# Altium PCB 电解水杯拼版6in1.PcbDoc (part 3 of 9)
Units mm, origin at the board's own origin, x right, y up, seen from the top; angles counter-clockwise.
Board outline 210 x 138 mm, 2 copper layers (Top Layer, Bottom Layer); 750 components, 0 nets, 2092 pads, 2070 vias.
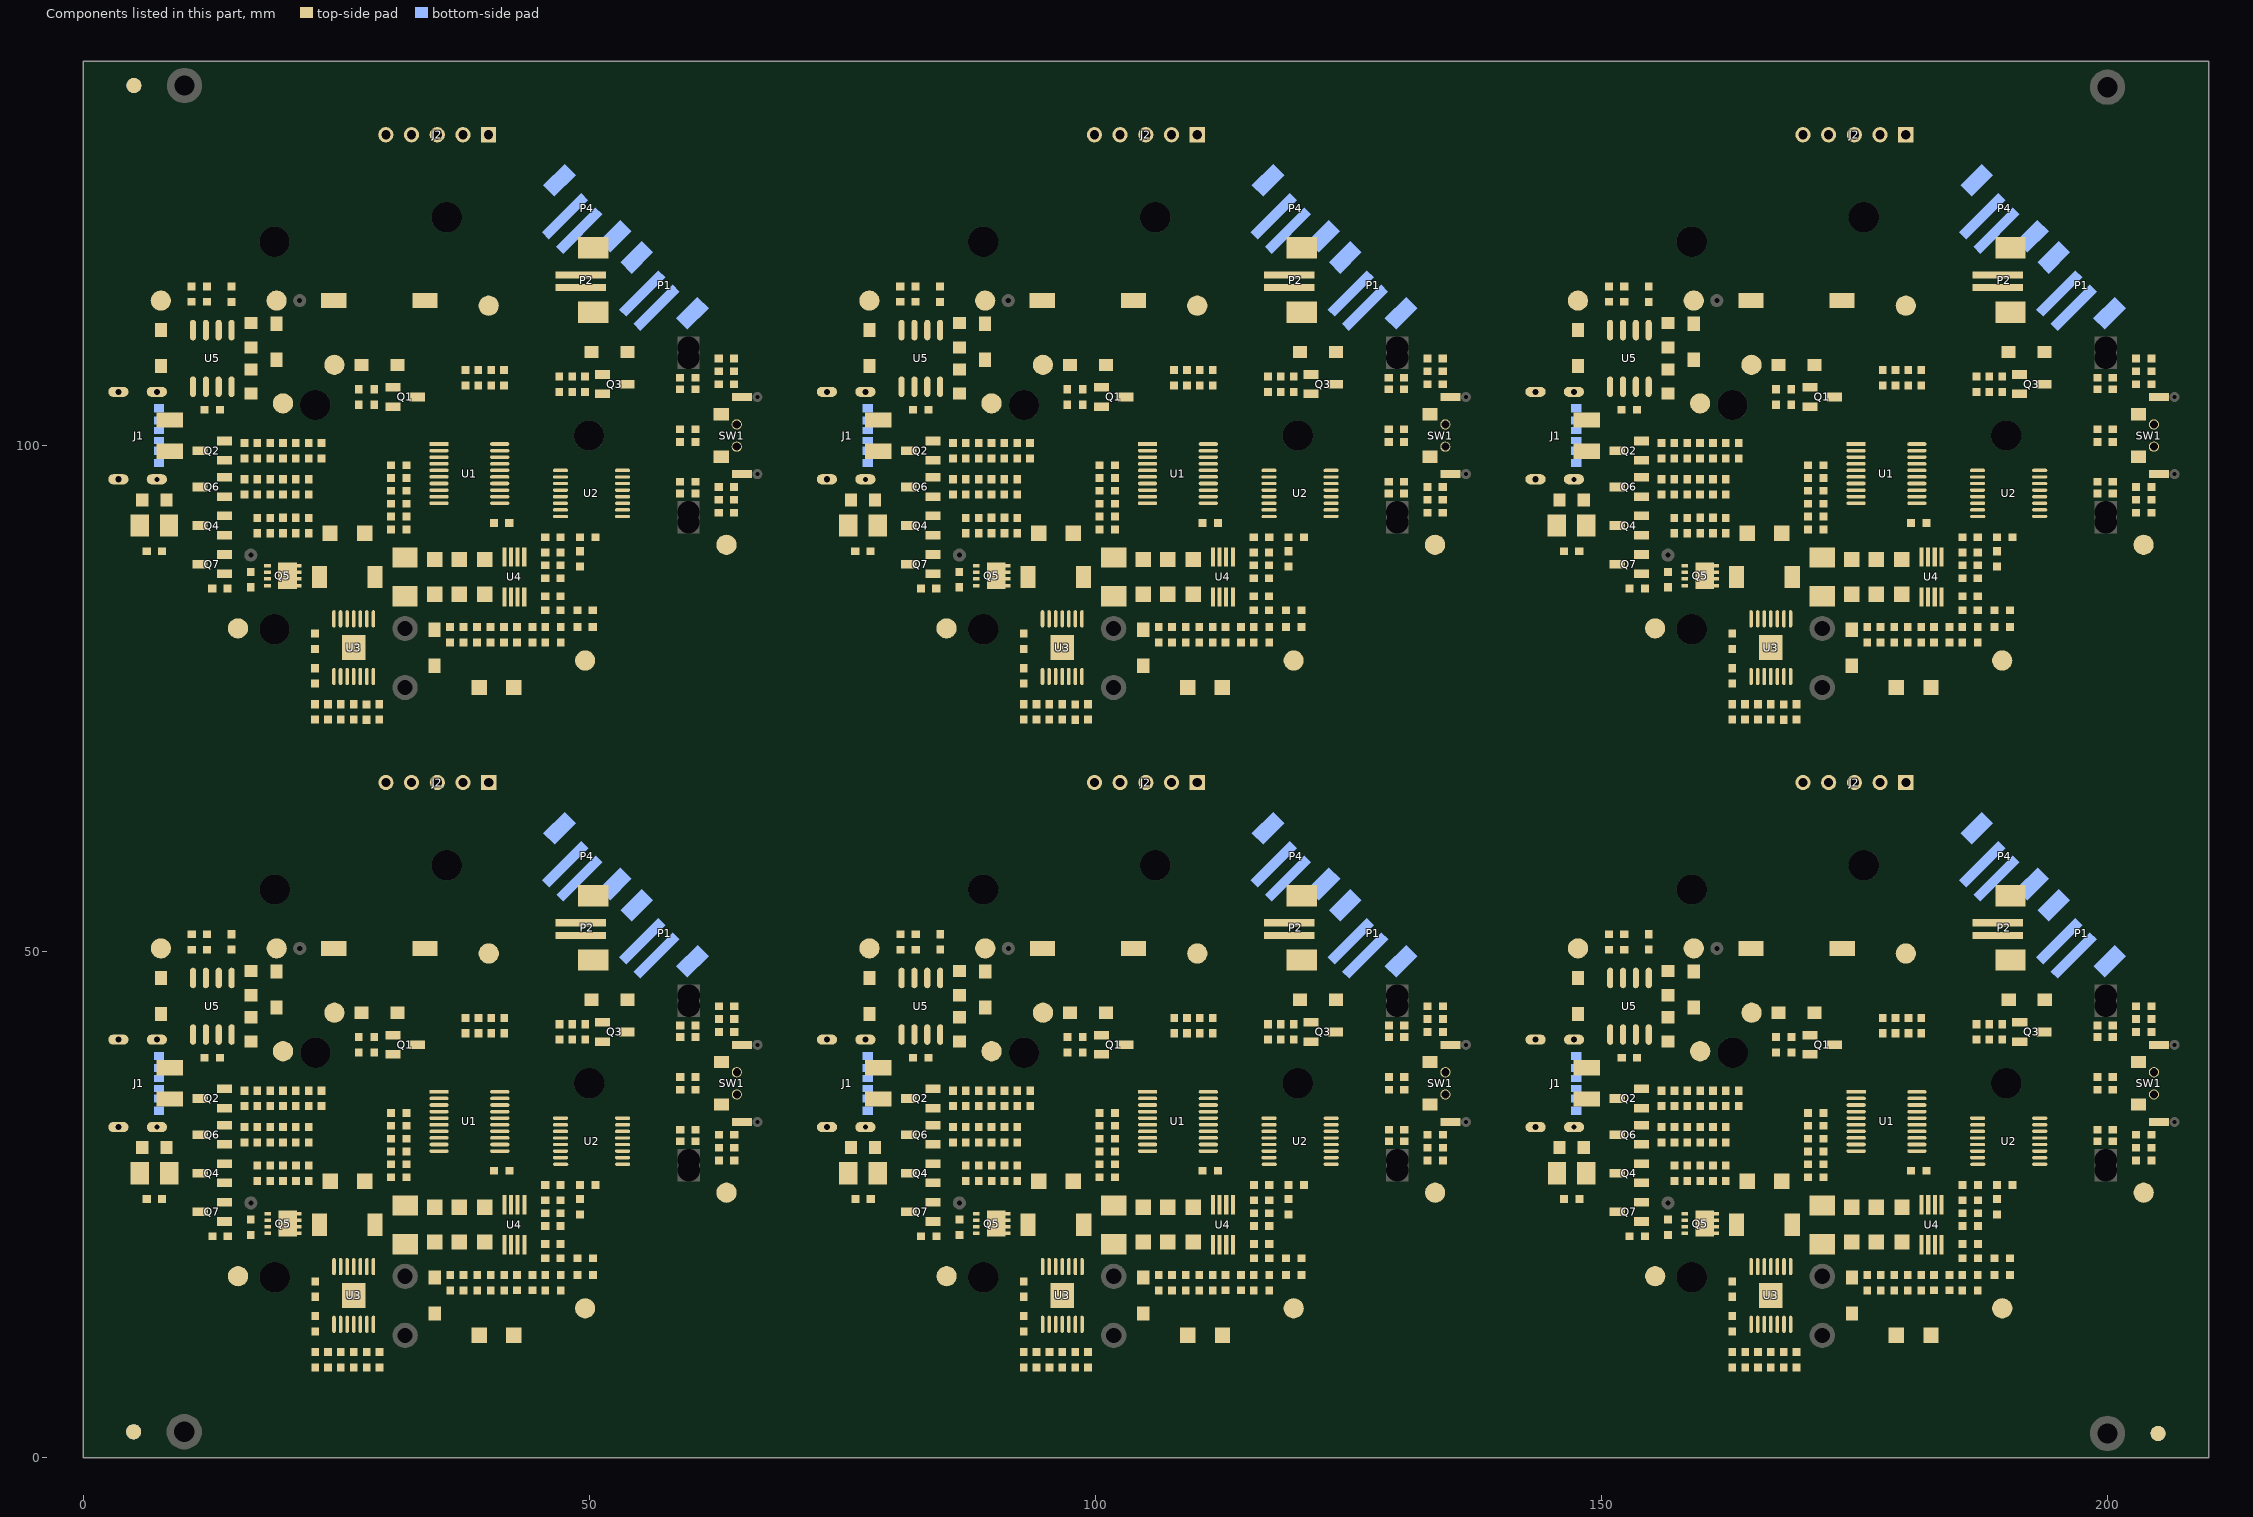
[diagram p3: the components of this part, seen from the top]

## Via types
v1: diameter 0.6, hole 0.3, Top Layer to Bottom Layer, 1968 vias
v2: diameter 0.8, hole 0.4, Top Layer to Bottom Layer, 102 vias

## Nets (pads, with @x,y where several pads share a name; then routed paths per layer and width w, separated by ;. In a path a pad name is that pad's centre, name@x,y a point inside that pad or via, vN(x,y) a via of type N, cw(c..) or ccw(c..) an arc to the next point about the centre after c; other vN are vias at no path point) (continued)
copper on no net: (continued)
  Top Layer w0.254: 11.356,95.709 cw(c10.848,95.201) 11.567,95.201 cw(c12.287,95.201) 11.778,95.709 ; 11.362,31.709 cw(c10.853,31.201) 11.573,31.201 cw(c12.292,31.201) 11.783,31.709 ; 11.504,114.208 12.259,114.208 ; 11.509,50.208 12.265,50.208 ; 11.567,95.92 11.567,94.326 11.878,94.015 18.228,94.015 18.482,93.761 18.482,92.872 ; 11.573,31.92 11.573,30.326 11.884,30.015 18.234,30.015 18.488,29.761 18.488,28.872 ; 11.844,103.72 ccw(c11.15,104.414) 12.132,104.414 ; 11.85,39.72 ccw(c11.156,40.414) 12.138,40.414 ; 12.006,104.989 cw(c11.703,104.686) 12.132,104.686 cw(c12.561,104.686) 12.258,104.989 ; 12.006,112.251 ccw(c11.703,112.554) 12.132,112.554 ccw(c12.561,112.554) 12.258,112.251 ; 12.012,40.989 cw(c11.708,40.686) 12.138,40.686 cw(c12.567,40.686) 12.263,40.989 ; 12.012,48.251 ccw(c11.708,48.554) 12.138,48.554 ccw(c12.567,48.554) 12.263,48.251 ; 12.06,114.028 ccw(c11.627,113.595) 11.627,114.208 ccw(c11.627,114.821) 12.06,114.388 ; 12.066,50.028 ccw(c11.632,49.595) 11.632,50.208 ccw(c11.632,50.821) 12.066,50.388 ; 12.132,103.667 12.132,105.826 ; 12.132,111.414 12.132,112.874 11.5,113.507 11.5,116.752 12.258,117.51 44.263,117.51 44.698,117.075 44.698,98.46 44.45,98.212 41.167,98.212 ; 12.138,39.667 12.138,41.826 ; 12.138,47.414 12.138,48.874 11.505,49.507 11.505,52.752 12.263,53.51 44.269,53.51 44.704,53.075 44.704,34.46 44.455,34.212 41.173,34.212 ; 12.259,115.732 13.398,115.732 ; 12.265,51.732 13.404,51.732 ; 12.458,115.552 cw(c12.891,115.119) 12.891,115.732 cw(c12.891,116.345) 12.458,115.912 ; 12.463,51.552 cw(c12.897,51.119) 12.897,51.732 cw(c12.897,52.345) 12.463,51.912 ; 13.276,112.251 ccw(c12.973,112.554) 13.402,112.554 ccw(c13.831,112.554) 13.528,112.251 ; 13.282,48.251 ccw(c12.978,48.554) 13.408,48.554 ccw(c13.837,48.554) 13.533,48.251 ; 13.402,111.414 13.402,116.371 13.898,116.867 37.789,116.867 37.797,116.875 43.736,116.875 44.244,116.367 44.244,100.092 43.664,99.512 41.167,99.512 ; 13.408,47.414 13.408,52.371 13.904,52.867 37.794,52.867 37.802,52.875 43.742,52.875 44.25,52.367 44.25,36.092 43.669,35.512 41.173,35.512 ; 13.967,87.35 15.119,87.35 15.307,87.538 15.307,90.078 15.688,90.459 19.498,90.459 19.752,90.713 ; 13.973,23.35 15.125,23.35 15.313,23.538 15.313,26.078 15.694,26.459 19.504,26.459 19.758,26.713 19.758,27.348 21.028,27.348 ; 14.156,95.159 15.942,95.159 17.212,95.159 ; 14.161,31.159 15.947,31.159 17.217,31.159 ; 14.323,94.939 cw(c14.854,94.408) 14.854,95.159 ; 14.329,30.939 cw(c14.859,30.408) 14.859,31.159 ; 14.503,87.139 cw(c15.012,86.631) 15.012,87.35 cw(c15.012,88.069) 14.503,87.561 ; 14.503,94.759 cw(c15.467,93.795) 15.467,95.159 ; 14.508,23.139 cw(c15.017,22.631) 15.017,23.35 cw(c15.017,24.069) 14.508,23.561 ; 14.508,30.759 cw(c15.472,29.795) 15.472,31.159 ; 15.762,94.979 ccw(c15.329,94.545) 15.329,95.159 ccw(c15.329,95.772) 15.762,95.338 ; 15.768,30.979 ccw(c15.334,30.545) 15.334,31.159 ccw(c15.334,31.772) 15.768,31.338 ; 16.121,94.979 cw(c16.555,94.545) 16.555,95.159 cw(c16.555,95.772) 16.121,95.338 ; 16.127,30.979 cw(c16.56,30.545) 16.56,31.159 cw(c16.56,31.772) 16.127,31.338 ; 17.032,94.979 ccw(c16.599,94.545) 16.599,95.159 ccw(c16.599,95.772) 17.032,95.338 ; 17.032,96.484 cw(c16.599,96.05) 17.212,96.05 cw(c17.825,96.05) 17.391,96.484 ; 17.038,30.979 ccw(c16.604,30.545) 16.604,31.159 ccw(c16.604,31.772) 17.038,31.338 ; 17.038,32.484 cw(c16.604,32.05) 17.217,32.05 cw(c17.83,32.05) 17.397,32.484 ; 17.212,96.683 17.212,96.047 17.339,95.92 18.482,95.92 ; 17.217,32.683 17.217,32.047 17.345,31.92 18.488,31.92 ; 17.304,100.365 17.212,100.273 17.212,101.256 17.85,101.893 17.85,105.83 18.227,106.207 25.975,106.207 26.356,105.826 26.356,102.143 26.737,101.762 v1(42.739,101.762) ; 17.31,36.365 17.218,36.273 17.218,37.256 17.855,37.893 17.855,41.83 18.232,42.207 25.981,42.207 26.362,41.826 26.362,38.143 26.743,37.762 v1(42.745,37.762) ; 18.302,93.071 ccw(c17.869,93.504) 18.482,93.504 ccw(c19.095,93.504) 18.662,93.071 ; 18.302,95.357 ccw(c17.869,95.79) 18.482,95.79 ccw(c19.095,95.79) 18.662,95.357 ; 18.308,29.071 ccw(c17.874,29.504) 18.488,29.504 ccw(c19.101,29.504) 18.667,29.071 ; 18.308,31.357 ccw(c17.874,31.79) 18.488,31.79 ccw(c19.101,31.79) 18.667,31.357 ; 18.662,94.978 cw(c19.095,94.545) 19.095,95.158 cw(c19.095,95.771) 18.662,95.338 ; 18.667,30.978 cw(c19.101,30.545) 19.101,31.158 cw(c19.101,31.771) 18.667,31.338 ; 19.135,103.558 cw(c17.644,102.067) 19.752,102.067 cw(c21.86,102.067) 20.369,103.558 ; 19.14,39.558 cw(c17.65,38.067) 19.758,38.067 cw(c21.865,38.067) 20.375,39.558 ; 19.314,103.737 cw(c18.258,102.681) 19.752,102.681 cw(c21.246,102.681) 20.19,103.737 ; 19.32,39.737 cw(c18.263,38.681) 19.758,38.681 cw(c21.252,38.681) 20.195,39.737 ; 19.572,94.978 ccw(c19.139,94.545) 19.139,95.158 ccw(c19.139,95.771) 19.572,95.338 ; 19.572,100.472 ccw(c19.139,100.905) 19.752,100.905 ccw(c20.365,100.905) 19.932,100.472 ; 19.575,91.153 cw(c19.147,90.726) 19.752,90.726 ; 19.575,93.075 ccw(c19.147,93.502) 19.752,93.502 ; 19.578,30.978 ccw(c19.144,30.545) 19.144,31.158 ccw(c19.144,31.771) 19.578,31.338 ; 19.578,36.472 ccw(c19.144,36.905) 19.758,36.905 ccw(c20.371,36.905) 19.937,36.472 ; 19.58,27.153 cw(c19.153,26.726) 19.758,26.726 ; 19.58,29.075 ccw(c19.153,29.502) 19.758,29.502 ; v1@19.63,93.766 cw(c19.334,93.47) 19.752,93.47 cw(c20.17,93.47) v1@19.874,93.766 ; v1@19.63,101.386 cw(c19.334,101.09) 19.752,101.09 cw(c20.17,101.09) v1@19.874,101.386 ; v1@19.63,101.63 ccw(c19.334,101.926) 19.752,101.926 ccw(c20.17,101.926) v1@19.874,101.63 ; v1@19.635,29.766 cw(c19.34,29.47) 19.758,29.47 cw(c20.175,29.47) v1@19.88,29.766 ; v1@19.635,37.386 cw(c19.34,37.09) 19.758,37.09 cw(c20.175,37.09) v1@19.88,37.386 ; v1@19.635,37.63 ccw(c19.34,37.926) 19.758,37.926 ccw(c20.175,37.926) v1@19.88,37.63 ; 19.752,92.872 v1(19.752,93.888) ; 19.752,93.514 ccw(c20.374,93.514) 19.934,93.075 ; 19.752,95.158 18.482,95.158 18.482,95.92 ; 19.752,96.682 21.022,96.682 22.292,96.682 v1(25.594,96.682) ; 19.752,100.238 19.752,100.273 ; 19.752,104.175 v1(19.752,101.508) 19.752,100.273 ; 19.758,26.714 cw(c20.379,26.714) 19.94,27.153 ; 19.758,28.872 v1(19.758,29.888) ; 19.758,29.514 ccw(c20.379,29.514) 19.94,29.075 ; 19.758,31.158 18.488,31.158 18.488,31.92 ; 19.758,32.682 21.028,32.682 22.298,32.682 v1(25.6,32.682) ; 19.758,36.238 19.758,36.273 ; 19.758,40.175 v1(19.758,37.508) 19.758,36.273 ; 19.932,96.502 cw(c20.365,96.069) 20.365,96.682 cw(c20.365,97.295) 19.932,96.862 ; 19.932,100.093 cw(c20.365,99.66) 20.365,100.273 cw(c20.365,100.886) 19.932,100.453 ; 19.934,91.153 ccw(c20.374,90.714) 19.752,90.714 ; 19.934,91.172 cw(c20.358,90.748) 20.358,91.348 ; 19.934,91.532 ccw(c20.377,91.975) 20.377,91.348 ; 19.937,32.502 cw(c20.371,32.069) 20.371,32.682 cw(c20.371,33.295) 19.937,32.862 ; 19.937,36.093 cw(c20.371,35.66) 20.371,36.273 cw(c20.371,36.886) 19.937,36.453 ; 19.94,27.172 cw(c20.364,26.748) 20.364,27.348 ; 19.94,27.532 ccw(c20.383,27.975) 20.383,27.348 ; 20.402,91.348 ccw(c20.402,91.975) 20.845,91.532 ; 20.407,27.348 ccw(c20.407,27.975) 20.85,27.532 ; 20.421,91.348 cw(c20.421,90.748) 20.845,91.172 ; 20.426,27.348 cw(c20.426,26.748) 20.85,27.172 ; 20.842,96.502 ccw(c20.409,96.069) 20.409,96.682 ccw(c20.409,97.295) 20.842,96.862 ; 20.842,100.093 ccw(c20.409,99.66) 20.409,100.273 ccw(c20.409,100.886) 20.842,100.453 ; 20.848,32.502 ccw(c20.414,32.069) 20.414,32.682 ccw(c20.414,33.295) 20.848,32.862 ; 20.848,36.093 ccw(c20.414,35.66) 20.414,36.273 ccw(c20.414,36.886) 20.848,36.453 ; 21.022,91.348 19.752,91.348 19.752,90.713 ; 21.022,98.749 21.784,99.511 35.166,99.511 ; 21.022,99.022 ccw(c21.022,99.681) 21.488,99.215 ; 21.022,100.273 19.752,100.273 ; 21.028,34.749 21.79,35.511 35.172,35.511 ; 21.028,35.022 ccw(c21.028,35.681) 21.494,35.215 ; 21.028,36.273 19.758,36.273 ; 21.202,96.502 cw(c21.635,96.069) 21.635,96.682 cw(c21.635,97.295) 21.202,96.862 ; 21.207,32.502 cw(c21.641,32.069) 21.641,32.682 cw(c21.641,33.295) 21.207,32.862 ; 21.276,98.768 cw(c21.843,98.768) 21.442,99.169 ; 21.282,34.768 cw(c21.849,34.768) 21.448,35.169 ; 22.112,96.502 ccw(c21.679,96.069) 21.679,96.682 ccw(c21.679,97.295) 22.112,96.862 ; 22.112,100.472 ccw(c21.679,100.905) 22.292,100.905 ccw(c22.905,100.905) 22.472,100.472 ; 22.118,32.502 ccw(c21.684,32.069) 21.684,32.682 ccw(c21.684,33.295) 22.118,32.862 ; 22.118,36.472 ccw(c21.684,36.905) 22.298,36.905 ccw(c22.911,36.905) 22.477,36.472 ; v1@22.17,101.386 cw(c21.874,101.09) 22.292,101.09 cw(c22.71,101.09) v1@22.414,101.386 ; v1@22.175,37.386 cw(c21.88,37.09) 22.298,37.09 cw(c22.715,37.09) v1@22.42,37.386 ; 22.292,100.238 v1(22.292,101.508) ; 22.292,100.273 23.562,100.273 23.562,101.254 23.943,101.635 24.959,101.635 25.467,102.143 v1(25.467,105.445) ; 22.298,36.238 v1(22.298,37.508) ; 22.298,36.273 23.568,36.273 23.568,37.254 23.949,37.635 24.965,37.635 25.473,38.143 v1(25.473,41.445) ; 22.472,96.502 cw(c22.905,96.069) 22.905,96.682 cw(c22.905,97.295) 22.472,96.862 ; 22.472,100.093 cw(c22.905,99.66) 22.905,100.273 cw(c22.905,100.886) 22.472,100.453 ; 22.477,32.502 cw(c22.911,32.069) 22.911,32.682 cw(c22.911,33.295) 22.477,32.862 ; 22.477,36.093 cw(c22.911,35.66) 22.911,36.273 cw(c22.911,36.886) 22.477,36.453 ; 23.382,100.093 ccw(c22.949,99.66) 22.949,100.273 ccw(c22.949,100.886) 23.382,100.453 ; 23.382,100.472 ccw(c22.949,100.905) 23.562,100.905 ccw(c24.175,100.905) 23.742,100.472 ; 23.388,36.093 ccw(c22.954,35.66) 22.954,36.273 ccw(c22.954,36.886) 23.388,36.453 ; 23.388,36.472 ccw(c22.954,36.905) 23.568,36.905 ccw(c24.181,36.905) 23.747,36.472 ; 23.562,98.749 23.71,98.897 ; 23.568,34.749 23.715,34.897 ; 23.71,98.862 35.167,98.862 ; 23.715,34.862 35.173,34.862 ; 23.742,98.588 cw(c24.402,97.928) 24.402,98.862 ; 23.742,98.948 ccw(c23.949,99.155) 23.949,98.862 ; 23.747,34.588 cw(c24.407,33.928) 24.407,34.862 ; 23.747,34.948 ccw(c23.954,35.155) 23.954,34.862 ; 24.39,108.738 ccw(c23.938,109.509) 24.832,109.509 ; 24.396,44.738 ccw(c23.944,45.509) 24.838,45.509 ; 24.519,108.519 ccw(c24.198,109.066) 24.832,109.066 ccw(c25.466,109.066) 25.145,108.519 ; 24.524,44.519 ccw(c24.204,45.066) 24.838,45.066 ccw(c25.471,45.066) 25.151,44.519 ; v1(24.832,100.162) 35.167,100.162 ; 24.832,107.985 24.832,109.509 ; v1(24.838,36.162) 35.173,36.162 ; 24.838,43.985 24.838,45.509 ; v1@24.954,100.039 cw(c25.25,99.744) 25.25,100.162 cw(c25.25,100.579) v1@24.954,100.284 ; v1@24.96,36.039 cw(c25.255,35.744) 25.255,36.162 cw(c25.255,36.579) v1@24.96,36.284 ; 25.274,108.738 cw(c25.726,109.509) 24.832,109.509 ; 25.279,44.738 cw(c25.731,45.509) 24.838,45.509 ; v1@25.345,105.323 cw(c25.049,105.027) 25.467,105.027 cw(c25.885,105.027) v1@25.589,105.323 ; v1@25.35,41.323 cw(c25.055,41.027) 25.473,41.027 cw(c25.89,41.027) v1@25.595,41.323 ; v1@25.472,96.56 ccw(c25.176,96.264) 25.176,96.682 ccw(c25.176,97.1) v1@25.472,96.804 ; v1@25.477,32.56 ccw(c25.182,32.264) 25.182,32.682 ccw(c25.182,33.1) v1@25.477,32.804 ; v1(25.594,101) v1(39.437,101) ; v1(25.6,37) v1(39.443,37) ; v1@25.716,100.878 cw(c26.012,100.582) 26.012,101 cw(c26.012,101.418) v1@25.716,101.122 ; v1@25.722,36.878 cw(c26.017,36.582) 26.017,37 cw(c26.017,37.418) v1@25.722,37.122 ; v1@25.98,109.768 ccw(c25.684,109.472) 25.684,109.89 ccw(c25.684,110.308) v1@25.98,110.012 ; v1@25.985,45.768 ccw(c25.69,45.472) 25.69,45.89 ccw(c25.69,46.308) v1@25.985,46.012 ; v1(26.102,109.89) 25.213,109.89 24.832,109.509 ; v1(26.108,45.89) 25.219,45.89 24.838,45.509 ; 26.737,74.185 cw(c26.737,73.526) 27.203,73.992 ; 26.737,74.458 27.511,73.684 v1@37.596,73.684 ; 26.742,10.185 cw(c26.742,9.526) 27.208,9.992 ; 26.742,10.458 27.516,9.684 v1@37.601,9.684 ; 26.991,74.439 ccw(c27.558,74.439) 27.157,74.037 ; 26.996,10.439 ccw(c27.564,10.439) 27.162,10.037 ; 27.065,103.849 cw(c26.632,103.416) 27.245,103.416 cw(c27.858,103.416) 27.425,103.849 ; 27.071,39.849 cw(c26.637,39.416) 27.251,39.416 cw(c27.864,39.416) 27.43,39.849 ; 27.245,104.048 27.245,102.905 27.499,102.651 43.247,102.651 43.628,102.27 43.628,100.619 43.171,100.162 41.167,100.162 ; 27.245,105.572 28.769,105.572 30.429,105.572 ; 27.251,40.048 27.251,38.905 27.505,38.651 43.253,38.651 43.634,38.27 43.634,36.619 43.176,36.162 41.173,36.162 ; 27.251,41.572 28.775,41.572 30.435,41.572 ; 27.425,105.392 cw(c27.858,104.959) 27.858,105.572 cw(c27.858,106.185) 27.425,105.752 ; 27.43,41.392 cw(c27.864,40.959) 27.864,41.572 cw(c27.864,42.185) 27.43,41.752 ; 28.589,105.392 ccw(c28.156,104.959) 28.156,105.572 ccw(c28.156,106.185) 28.589,105.752 ; 28.595,41.392 ccw(c28.161,40.959) 28.161,41.572 ccw(c28.161,42.185) 28.595,41.752 ; 28.901,105.808 ccw(c29.379,106.595) 29.617,105.706 ; 28.906,41.808 ccw(c29.384,42.595) 29.623,41.706 ; 28.949,105.392 cw(c29.382,104.959) 29.382,105.572 cw(c29.382,106.185) 28.949,105.752 ; 28.954,41.392 cw(c29.388,40.959) 29.388,41.572 cw(c29.388,42.185) 28.954,41.752 ; 29.119,105.572 ccw(c29.119,106.933) 30.081,105.971 ; 29.124,41.572 ccw(c29.124,42.933) 30.087,41.971 ; 29.732,105.572 ccw(c29.732,106.32) 30.261,105.791 ; 29.737,41.572 ccw(c29.737,42.32) 30.266,41.791 ; 29.954,92.195 cw(c29.488,91.729) 30.147,91.729 ; 29.959,28.195 cw(c29.493,27.729) 30.153,27.729 ; 30,92.149 ccw(c30.401,92.55) 30.401,91.983 ; 30.005,28.149 ccw(c30.407,28.55) 30.407,27.983 ; 30.42,91.729 29.658,92.491 29.658,95.539 29.277,95.92 18.482,95.92 ; 30.42,92.999 31.182,93.761 31.182,94.269 ; 30.42,98.079 31.182,97.317 31.182,94.269 ; 30.426,27.729 29.664,28.491 29.664,31.539 29.283,31.92 18.488,31.92 ; 30.426,28.999 31.188,29.761 31.188,30.269 ; 30.426,34.079 31.188,33.317 31.188,30.269 ; 30.439,93.253 ccw(c30.439,93.82) 30.84,93.419 ; 30.439,97.825 cw(c30.439,97.258) 30.84,97.659 ; 30.445,29.253 ccw(c30.445,29.82) 30.846,29.419 ; 30.445,33.825 cw(c30.445,33.258) 30.846,33.659 ; 30.693,92.999 cw(c31.352,92.999) 30.886,93.465 ; 30.693,98.079 ccw(c31.352,98.079) 30.886,97.613 ; 30.699,28.999 cw(c31.358,28.999) 30.892,29.465 ; 30.699,34.079 ccw(c31.358,34.079) 30.892,33.613 ; 31.745,94.089 ccw(c31.312,93.656) 31.312,94.269 ccw(c31.312,94.882) 31.745,94.449 ; 31.751,30.089 ccw(c31.317,29.656) 31.317,30.269 ccw(c31.317,30.882) 31.751,30.449 ; 31.944,91.729 34.738,91.729 35.167,92.158 35.167,94.312 ; 31.944,94.269 31.182,94.269 ; 31.95,27.729 34.744,27.729 35.173,28.158 35.173,30.312 ; 31.95,30.269 31.188,30.269 ; 32.143,91.549 cw(c32.576,91.116) 32.576,91.729 cw(c32.576,92.342) 32.143,91.909 ; 32.148,27.549 cw(c32.582,27.116) 32.582,27.729 cw(c32.582,28.342) 32.148,27.909 ; 35.167,95.612 v1(36.897,95.612) ; 35.167,96.912 38.551,96.912 38.986,96.477 38.986,91.933 39.44,91.479 43.504,91.479 44.139,92.114 46.044,92.114 46.422,91.735 46.422,89.697 ; 35.167,97.562 37.396,97.562 v1(37.786,97.952) ; 35.173,31.612 v1(36.903,31.612) ; 35.173,32.912 38.556,32.912 38.991,32.477 38.991,27.933 39.445,27.479 43.509,27.479 44.144,28.114 46.049,28.114 46.428,27.735 46.428,25.697 ; 35.173,33.562 37.401,33.562 v1(37.792,33.952) ; v1@35.886,104.424 ccw(c35.59,104.72) 36.008,104.72 ccw(c36.426,104.72) v1@36.13,104.424 ; v1@35.886,116.118 cw(c35.59,115.822) 36.008,115.822 cw(c36.426,115.822) v1@36.13,116.118 ; v1@35.891,40.424 ccw(c35.596,40.72) 36.014,40.72 ccw(c36.431,40.72) v1@36.136,40.424 ; v1@35.891,52.118 cw(c35.596,51.822) 36.014,51.822 cw(c36.431,51.822) v1@36.136,52.118 ; v1(36.008,104.302) v1(36.008,116.24) ; v1(36.014,40.302) v1(36.014,52.24) ; v1@36.775,95.489 ccw(c36.479,95.194) 36.479,95.612 ccw(c36.479,96.029) v1@36.775,95.734 ; v1@36.775,103.662 ccw(c36.479,103.958) 36.897,103.958 ccw(c37.315,103.958) v1@37.019,103.662 ; v1@36.78,31.489 ccw(c36.485,31.194) 36.485,31.612 ccw(c36.485,32.029) v1@36.78,31.734 ; v1@36.78,39.662 ccw(c36.485,39.958) 36.903,39.958 ccw(c37.32,39.958) v1@37.025,39.662 ; v1(36.897,103.54) 36.897,115.351 v1(37.786,116.24) ; v1(36.903,39.54) 36.903,51.351 v1(37.792,52.24) ; 37.151,73.684 ccw(c37.151,74.14) v1@37.473,73.817 ; 37.156,9.684 ccw(c37.156,10.14) v1@37.479,9.817 ; 37.205,73.684 cw(c37.205,73.305) v1@37.473,73.573 ; 37.211,9.684 cw(c37.211,9.305) v1@37.479,9.573 ; 37.606,105.754 cw(c37.173,105.321) 37.786,105.321 cw(c38.399,105.321) 37.966,105.754 ; 37.612,41.754 cw(c37.178,41.321) 37.792,41.321 cw(c38.405,41.321) 37.971,41.754 ; v1@37.613,97.952 cw(c37.195,97.952) 37.491,97.657 cw(c37.786,97.361) v1@37.786,97.779 ; v1@37.613,116.24 cw(c37.195,116.24) 37.491,115.945 cw(c37.786,115.649) v1@37.786,116.067 ; v1@37.619,33.952 cw(c37.201,33.952) 37.496,33.657 cw(c37.792,33.361) v1@37.792,33.779 ; v1@37.619,52.24 cw(c37.201,52.24) 37.496,51.945 cw(c37.792,51.649) v1@37.792,52.067 ; v1@37.664,104.424 ccw(c37.368,104.72) 37.786,104.72 ccw(c38.204,104.72) v1@37.908,104.424 ; v1@37.669,40.424 ccw(c37.374,40.72) 37.792,40.72 ccw(c38.209,40.72) v1@37.914,40.424 ; v1(37.786,104.302) 37.786,105.953 39.056,107.223 39.056,107.477 ; 37.786,106.226 ccw(c37.786,106.885) 38.252,106.419 ; v1(37.792,40.302) 37.792,41.953 39.062,43.223 39.062,43.477 ; 37.792,42.226 ccw(c37.792,42.885) 38.258,42.419 ; 38.04,105.972 cw(c38.607,105.972) 38.206,106.373 ; 38.046,41.972 cw(c38.613,41.972) 38.212,42.373 ; 38.456,106.623 ccw(c37.622,107.458) 38.802,107.458 ; 38.462,42.623 ccw(c37.627,43.458) 38.808,43.458 ; 38.89,107.057 ccw(c38.489,107.458) 39.056,107.458 ; 38.895,43.057 ccw(c38.494,43.458) 39.062,43.458 ; 39.056,105.953 40.326,105.953 41.596,105.953 42.358,105.953 42.612,106.207 v1(42.612,113.827) 39.957,113.827 ; v1(39.056,116.24) 43.247,116.24 43.628,115.859 43.628,103.921 43.247,103.54 v1(42.739,103.54) ; 39.062,41.953 40.332,41.953 41.602,41.953 42.364,41.953 42.618,42.207 v1(42.618,49.827) 39.963,49.827 ; v1(39.062,52.24) 43.253,52.24 43.634,51.859 43.634,39.921 43.253,39.54 v1(42.745,39.54) ; v1@39.178,116.118 cw(c39.474,115.822) 39.474,116.24 cw(c39.474,116.658) v1@39.178,116.362 ; v1@39.184,52.118 cw(c39.479,51.822) 39.479,52.24 cw(c39.479,52.658) v1@39.184,52.362 ; 39.236,105.773 cw(c39.669,105.34) 39.669,105.953 cw(c39.669,106.566) 39.236,106.133 ; 39.241,41.773 cw(c39.675,41.34) 39.675,41.953 cw(c39.675,42.566) 39.241,42.133 ; v1@39.315,100.878 ccw(c39.019,100.582) 39.019,101 ccw(c39.019,101.418) v1@39.315,101.122 ; v1@39.32,36.878 ccw(c39.025,36.582) 39.025,37 ccw(c39.025,37.418) v1@39.32,37.122 ; v1(39.437,97.562) 41.167,97.562 44.889,97.562 45.152,97.825 45.152,107.35 45.787,107.985 51.756,107.985 52.137,108.366 52.137,111.16 52.518,111.541 62.805,111.541 63.567,110.779 63.567,103.286 ; v1(39.443,33.562) 41.173,33.562 44.894,33.562 45.158,33.825 45.158,43.35 45.793,43.985 51.762,43.985 52.143,44.366 52.143,47.16 52.524,47.541 62.811,47.541 63.573,46.779 63.573,39.286 ; v1@39.559,97.439 cw(c39.855,97.144) 39.855,97.562 cw(c39.855,97.979) v1@39.559,97.684 ; v1@39.565,33.439 cw(c39.86,33.144) 39.86,33.562 cw(c39.86,33.979) v1@39.565,33.684 ; 40.146,105.773 ccw(c39.713,105.34) 39.713,105.953 ccw(c39.713,106.566) 40.146,106.133 ; 40.152,41.773 ccw(c39.718,41.34) 39.718,41.953 ccw(c39.718,42.566) 40.152,42.133 ; 40.384,92.188 ccw(c39.95,91.755) 39.95,92.368 ccw(c39.95,92.981) 40.384,92.548 ; 40.389,28.188 ccw(c39.956,27.755) 39.956,28.368 ccw(c39.956,28.981) 40.389,28.548 ; 40.506,105.773 cw(c40.939,105.34) 40.939,105.953 cw(c40.939,106.566) 40.506,106.133 ; 40.511,41.773 cw(c40.945,41.34) 40.945,41.953 cw(c40.945,42.566) 40.511,42.133 ; 40.512,113.393 cw(c41.559,112.346) 41.559,113.827 ; 40.512,114.269 ccw(c41.579,115.335) 41.579,113.827 ; 40.518,49.393 cw(c41.565,48.346) 41.565,49.827 ; 40.518,50.269 ccw(c41.584,51.335) 41.584,49.827 ; 40.583,92.368 39.821,92.368 39.44,92.749 39.44,94.781 39.62,94.962 41.167,94.962 ; 40.588,28.368 39.826,28.368 39.445,28.749 39.445,30.781 39.626,30.962 41.173,30.962 ; 40.692,113.214 cw(c42.173,111.733) 42.173,113.827 ; 40.692,114.448 ccw(c42.192,115.948) 42.192,113.827 ; 40.697,49.214 cw(c42.178,47.733) 42.178,49.827 ; 40.697,50.448 ccw(c42.197,51.948) 42.197,49.827 ; 41.129,94.31 46.923,94.31 ; 41.135,30.31 46.929,30.31 ; 41.167,96.912 45.255,96.912 45.66,97.317 45.66,105.064 45.914,105.318 47.057,105.318 ; 41.167,98.862 v1@43.628,98.862 ; 41.169,94.96 46.923,94.96 ; 41.169,95.61 46.923,95.61 ; 41.169,96.26 46.923,96.26 ; 41.173,32.912 45.26,32.912 45.666,33.317 45.666,41.064 45.92,41.318 47.063,41.318 ; 41.173,34.862 v1@43.634,34.862 ; 41.174,30.96 